# Altium PCB PROC099A_ASCII.PcbDoc (part 6 of 6)
Units mil, origin at the board's own origin, x right, y up, seen from the top; angles counter-clockwise.
Board outline 3180 x 2565 mil, 6 copper layers (TOP, L2, L3, L4, L5, BOTTOM), stack 55.54 mil thick; 362 components, 264 nets, 1248 pads, 1144 vias.
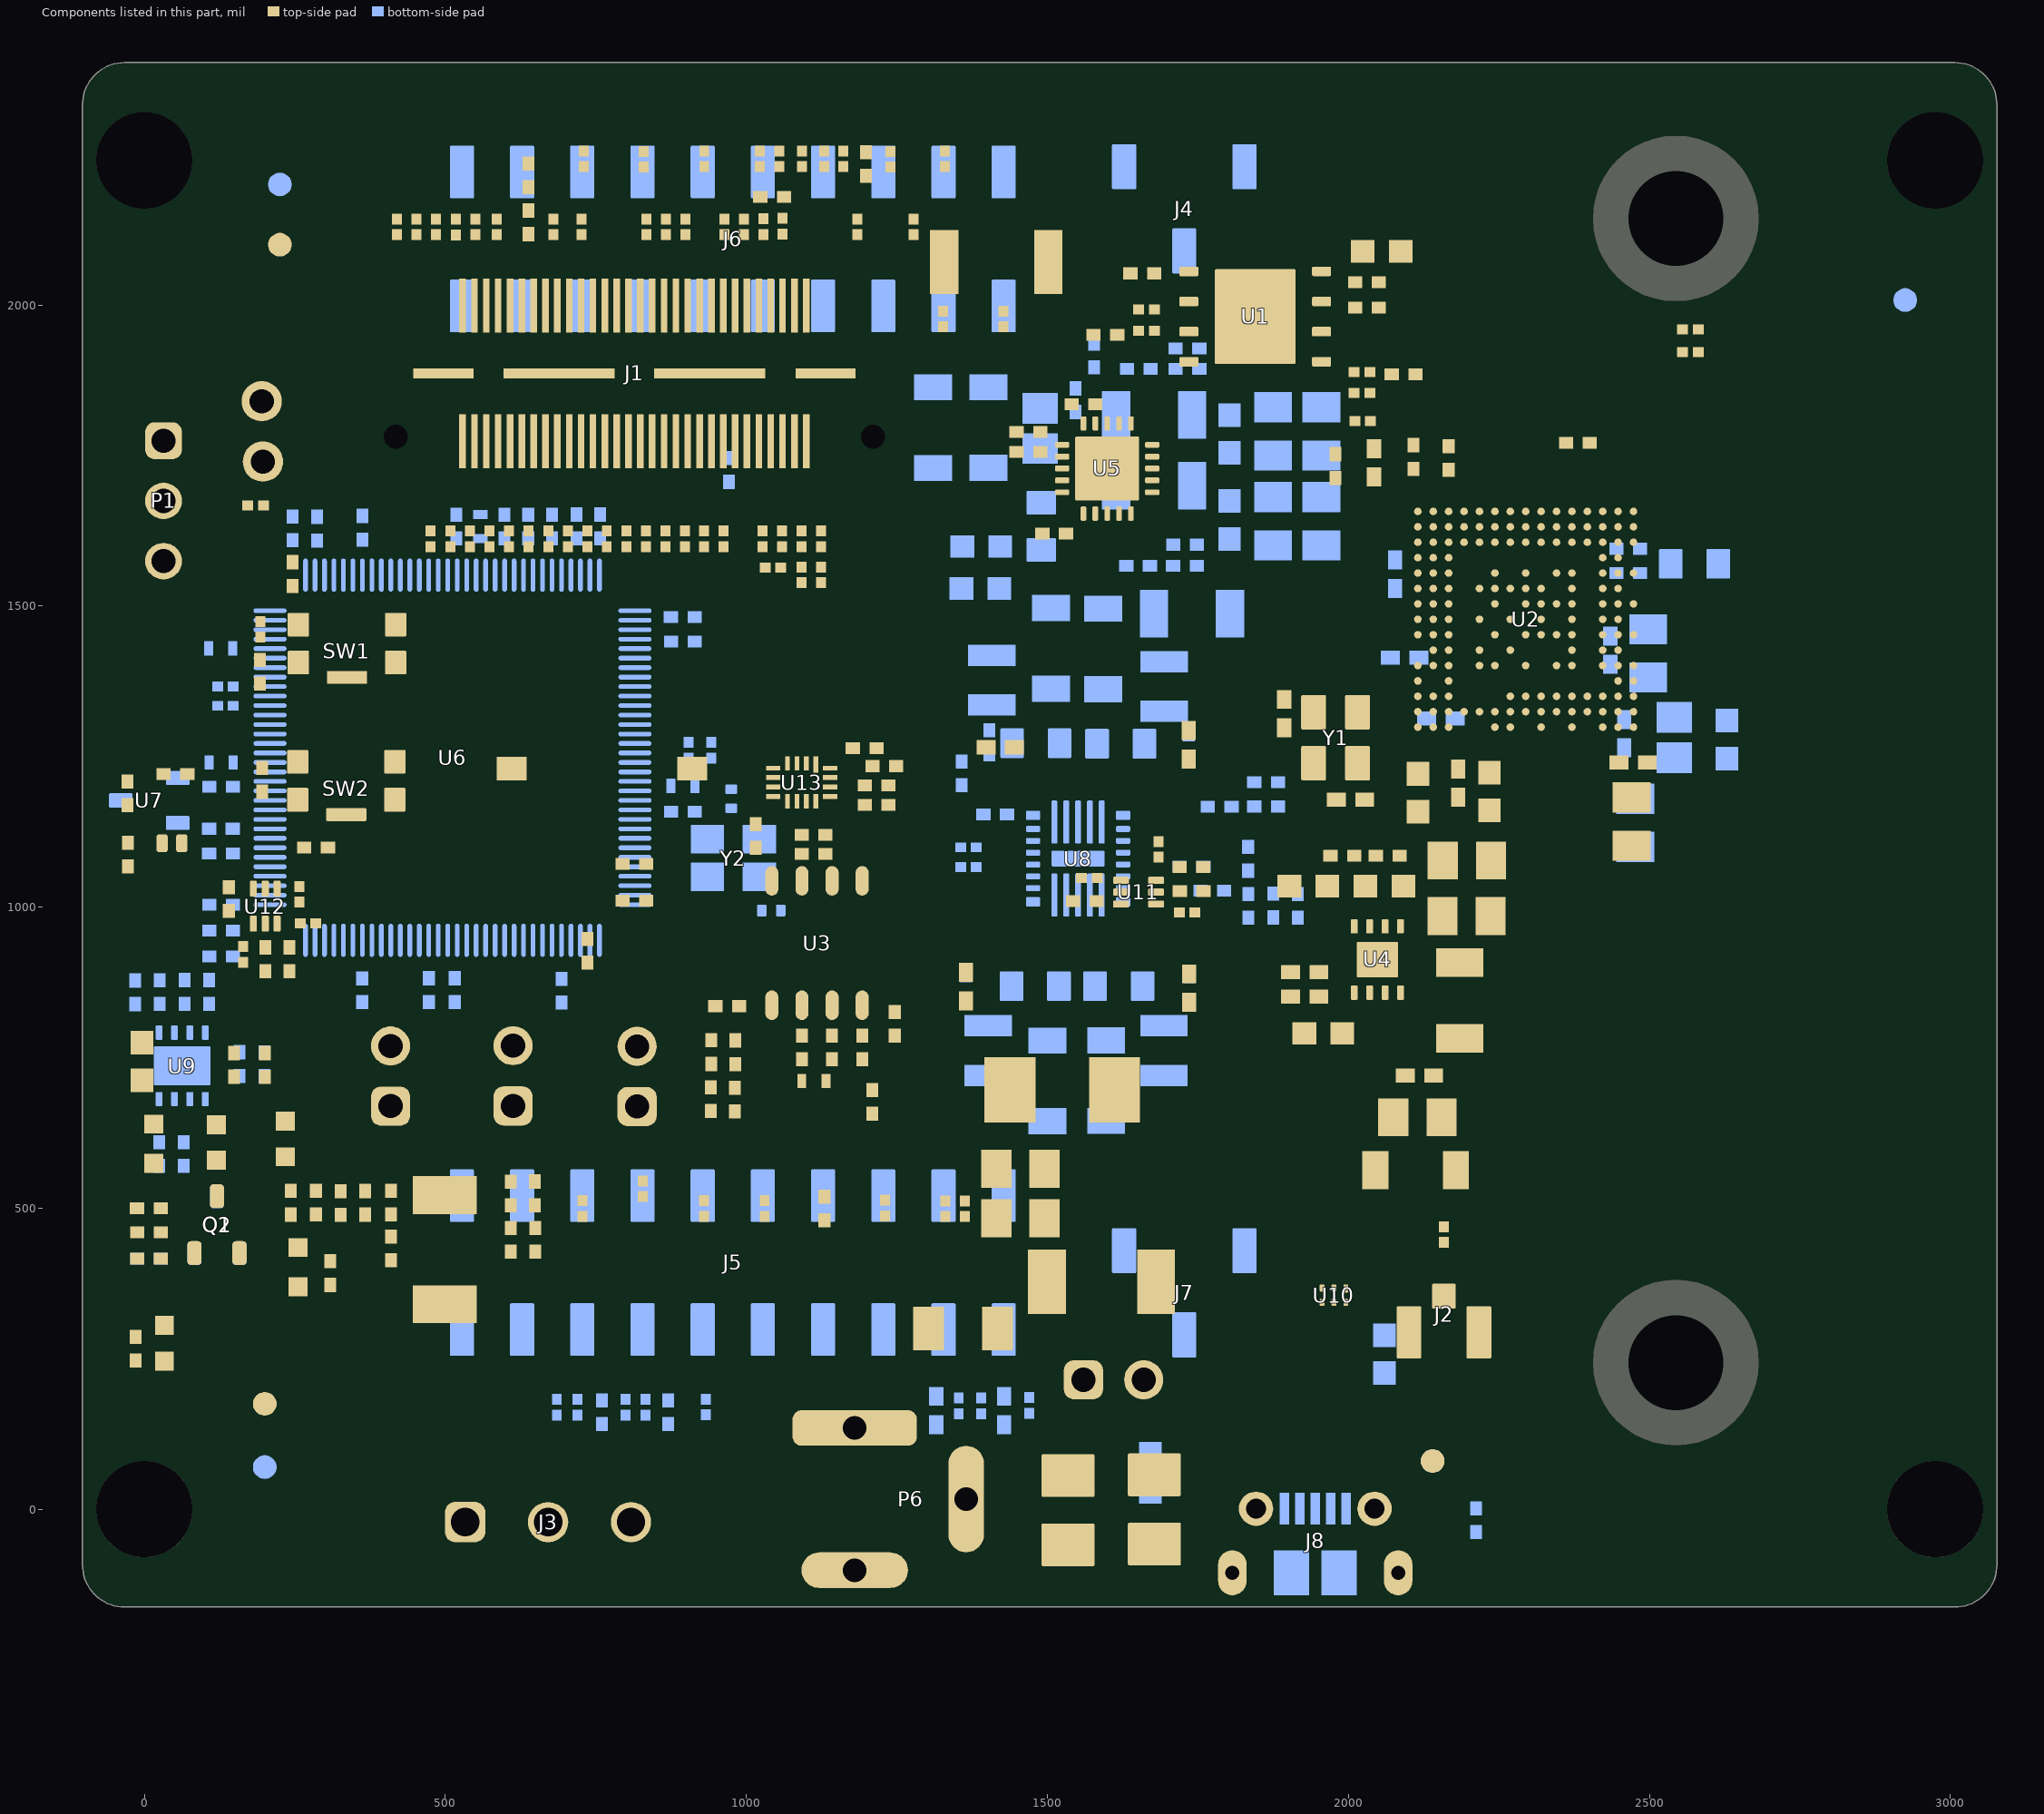
[diagram p10: the components of this part, seen from the top]

## Silkscreen, mask and mechanical layers (free items; w line width, h text height) (continued)
Drill Drawing:
  circle w9: c3144.49,3818.01 r27.78
  lines w9: 3116.71,3040.24 3172.27,3040.24 3172.27,3095.79 3116.71,3095.79 3116.71,3040.24 ; 3116.71,3970.79 3172.27,3970.79 3144.49,3915.24 3116.71,3970.79
  lines w10: 3066.68,3002.74 10059.06,3002.74 ; 3066.68,4502.74 10059.06,4502.74 ; 3067.25,4804.65 9682.22,4804.65 ; 3067.25,4929.65 9682.22,4929.65 ; 3150.75,5076.27 3884.08,5076.27 ; 3527.88,2877.74 3527.88,4627.74 ; 3528.44,4679.65 3528.44,5054.65 ; 4029.08,2877.74 4029.08,4627.74 ; 4029.64,4679.65 4029.64,5054.65 ; 4889.06,4679.65 4889.06,5054.65 ; 4988.46,2877.74 4988.46,4627.74 ; 5312.76,4679.65 5312.76,5054.65 ; 5412.16,2877.74 5412.16,4627.74 ; 5926.39,4679.65 5926.39,5054.65 ; 6025.79,2877.74 6025.79,4627.74 ; 6649.99,4679.65 6649.99,5054.65 ; 6985.18,2877.74 6985.18,4627.74 ; 7783.46,4679.65 7783.46,5054.65 ; 8118.65,2877.74 8118.65,4627.74 ; 8776.97,4679.65 8776.97,5054.65 ; 9112.16,2877.74 9112.16,4627.74 ; 3066.68,2877.74 10059.06,2877.74 10059.06,4627.74 3066.68,4627.74 3066.68,2877.74 ; 3067.25,4679.65 9682.22,4679.65 9682.22,5054.65 3067.25,5054.65 3067.25,4679.65
  text "DRILL CHART :" at 3150.16,5099.49 h60
  text "Symbol" at 3142.25,4967.15 h60
  text "Count" at 3565.94,4967.15 h60
  text "Hole Size" at 4067.14,4967.15 h60
  text "Plated" at 4926.56,4967.15 h60
  text "Hole Type" at 5350.26,4967.15 h60
  text "Hole Length" at 5963.89,4967.15 h60
  text "Routed Path Length" at 6687.49,4967.15 h60
  text "Drill Layer Pair" at 7820.96,4967.15 h60
  text "Tolerance" at 8814.47,4967.15 h60
  text "508" at 3565.94,4842.15 h50
  text "5.90mil (0.150mm)" at 4067.14,4842.15 h50
  text "PTH" at 4926.56,4842.15 h50
  text "Round" at 5350.26,4842.15 h50
  text "-" at 5963.89,4842.15 h50
  text "-" at 6687.49,4842.15 h50
  text "TOP - L2" at 7820.96,4842.15 h50
  text "+0.00mil/-5.90mil" at 8814.47,4842.15 h50
  text "A" at 3117.55,4833.16 h55.56
  text "508 Total" at 3565.94,4717.15 h50
  text "Symbol" at 3141.68,4540.24 h60
  text "Count" at 3565.38,4540.24 h60
  text "Hole Size" at 4066.58,4540.24 h60
  text "Plated" at 5025.96,4540.24 h60
  text "Hole Type" at 5449.66,4540.24 h60
  text "Hole Length" at 6063.29,4540.24 h60
  text "Routed Path Length" at 7022.68,4540.24 h60
  text "Drill Layer Pair" at 8156.15,4540.24 h60
  text "Hole Tolerance" at 9149.66,4540.24 h60
  text "15" at 3565.38,4415.24 h50
  text "7.87mil (0.200mm)" at 4066.58,4415.24 h50
  text "PTH" at 5025.96,4415.24 h50
  text "Round" at 5449.66,4415.24 h50
  text "-" at 6063.29,4415.24 h50
  text "-" at 7022.68,4415.24 h50
  text "TOP - BOTTOM" at 8156.15,4415.24 h50
  text "+0.00mil/-7.87mil" at 9149.66,4415.24 h50
  text "B" at 3116.98,4406.24 h55.56
  text "621" at 3565.38,4290.24 h50
  text "12.20mil (0.310mm)" at 4066.58,4290.24 h50
  text "PTH" at 5025.96,4290.24 h50
  text "Round" at 5449.66,4290.24 h50
  text "-" at 6063.29,4290.24 h50
  text "-" at 7022.68,4290.24 h50
  text "TOP - BOTTOM" at 8156.15,4290.24 h50
  text "+0.00mil/-12.20mil" at 9149.66,4290.24 h50
  text "C" at 3116.98,4281.24 h55.56
  text "2" at 3565.38,4165.24 h50
  text "23.62mil (0.600mm)" at 4066.58,4165.24 h50
  text "PTH" at 5025.96,4165.24 h50
  text "Slot" at 5449.66,4165.24 h50
  text "51.18mil (1.300mm)" at 6063.29,4165.24 h50
  text "27.56mil (0.700mm)" at 7022.68,4165.24 h50
  text "TOP - BOTTOM" at 8156.15,4165.24 h50
  text "+/-3.00mil" at 9149.66,4165.24 h50
  text "D" at 3116.98,4156.24 h55.56
  text "2" at 3565.38,4040.24 h50
  text "33.47mil (0.850mm)" at 4066.58,4040.24 h50
  text "PTH" at 5025.96,4040.24 h50
  text "Round" at 5449.66,4040.24 h50
  text "-" at 6063.29,4040.24 h50
  text "-" at 7022.68,4040.24 h50
  text "TOP - BOTTOM" at 8156.15,4040.24 h50
  text "+/-3.00mil" at 9149.66,4040.24 h50
  text "E" at 3116.98,4031.24 h55.56
  text "2" at 3565.38,3915.24 h50
  text "39.37mil (1.000mm)" at 4066.58,3915.24 h50
  text "PTH" at 5025.96,3915.24 h50
  text "Slot" at 5449.66,3915.24 h50
  text "118.11mil (3.000mm)" at 6063.29,3915.24 h50
  text "78.74mil (2.000mm)" at 7022.68,3915.24 h50
  text "TOP - BOTTOM" at 8156.15,3915.24 h50
  text "+/-3.00mil" at 9149.66,3915.24 h50
  text "1" at 3565.38,3790.24 h50
  text "39.37mil (1.000mm)" at 4066.58,3790.24 h50
  text "PTH" at 5025.96,3790.24 h50
  text "Slot" at 5449.66,3790.24 h50
  text "137.79mil (3.500mm)" at 6063.29,3790.24 h50
  text "98.43mil (2.500mm)" at 7022.68,3790.24 h50
  text "TOP - BOTTOM" at 8156.15,3790.24 h50
  text "+/-3.00mil" at 9149.66,3790.24 h50
  text "8" at 3565.38,3665.24 h50
  text "40.00mil (1.016mm)" at 4066.58,3665.24 h50
  text "PTH" at 5025.96,3665.24 h50
  text "Round" at 5449.66,3665.24 h50
  text "-" at 6063.29,3665.24 h50
  text "-" at 7022.68,3665.24 h50
  text "TOP - BOTTOM" at 8156.15,3665.24 h50
  text "+/-3.00mil" at 9149.66,3665.24 h50
  text "H" at 3116.98,3656.24 h55.56
  text "2" at 3565.38,3540.24 h50
  text "40.16mil (1.020mm)" at 4066.58,3540.24 h50
  text "NPTH" at 5025.96,3540.24 h50
  text "Round" at 5449.66,3540.24 h50
  text "-" at 6063.29,3540.24 h50
  text "-" at 7022.68,3540.24 h50
  text "TOP - BOTTOM" at 8156.15,3540.24 h50
  text "+/-2.00mil" at 9149.66,3540.24 h50
  text "J" at 3116.98,3531.24 h55.56
  text "5" at 3565.38,3415.24 h50
  text "40.16mil (1.020mm)" at 4066.58,3415.24 h50
  text "PTH" at 5025.96,3415.24 h50
  text "Round" at 5449.66,3415.24 h50
  text "-" at 6063.29,3415.24 h50
  text "-" at 7022.68,3415.24 h50
  text "TOP - BOTTOM" at 8156.15,3415.24 h50
  text "+/-3.00mil" at 9149.66,3415.24 h50
  text "I" at 3126.24,3406.24 h55.56
  text "3" at 3565.38,3290.24 h50
  text "47.24mil (1.200mm)" at 4066.58,3290.24 h50
  text "PTH" at 5025.96,3290.24 h50
  text "Round" at 5449.66,3290.24 h50
  text "-" at 6063.29,3290.24 h50
  text "-" at 7022.68,3290.24 h50
  text "TOP - BOTTOM" at 8156.15,3290.24 h50
  text "+/-3.00mil" at 9149.66,3290.24 h50
  text "K" at 3116.98,3281.24 h55.56
  text "2" at 3565.38,3165.24 h50
  text "157.48mil (4.000mm)" at 4066.58,3165.24 h50
  text "PTH" at 5025.96,3165.24 h50
  text "Round" at 5449.66,3165.24 h50
  text "-" at 6063.29,3165.24 h50
  text "-" at 7022.68,3165.24 h50
  text "TOP - BOTTOM" at 8156.15,3165.24 h50
  text "+/-3.00mil" at 9149.66,3165.24 h50
  text "L" at 3116.98,3156.24 h55.56
  text "4" at 3565.38,3040.24 h50
  text "160.00mil (4.064mm)" at 4066.58,3040.24 h50
  text "NPTH" at 5025.96,3040.24 h50
  text "Round" at 5449.66,3040.24 h50
  text "-" at 6063.29,3040.24 h50
  text "-" at 7022.68,3040.24 h50
  text "TOP - BOTTOM" at 8156.15,3040.24 h50
  text "+/-2.00mil" at 9149.66,3040.24 h50
  text "667 Total" at 3565.38,2915.24 h50
  text "Slot definitions :" at 3141.68,2793.09 h50
  text "Routed Path Length" at 4004.12,2793.09 h50
  text "= Calculated from tool start centre position to tool end centre position." at 4924.87,2793.09 h50
  text "Hole Length" at 4004.12,2708.45 h50
  text "= Routed Path Length + Tool Size = Slot length as defined in the PCB layout" at 4583.32,2708.45 h50
  text "FAB" at -523,-1458.49 h60
M17 Embedded Cavity:
  text ".Layer_Name" at -523,-1458.49 h60
M18 Embedded Assembly:
  text ".Layer_Name" at -523,-1458.49 h60
M19 Embedded Keepout:
  text ".Layer_Name" at -523,-1458.49 h60

## Text inside footprints (layer, text, board x,y; h text height)
Logo2: Top Overlay "For evaluation only; not FCC approved for resale." at 1674.4,2350.27 h60
ZZ1: M5 Assembly Top "Install label in silkscreened box after final wash.  Text shall be 8 pt font.  Text shall be per the Label Table in the PDF schematic." at -439.07,3109.33 h40